# Altium PCB Brake Module B3 Sample.PcbDoc (continued)
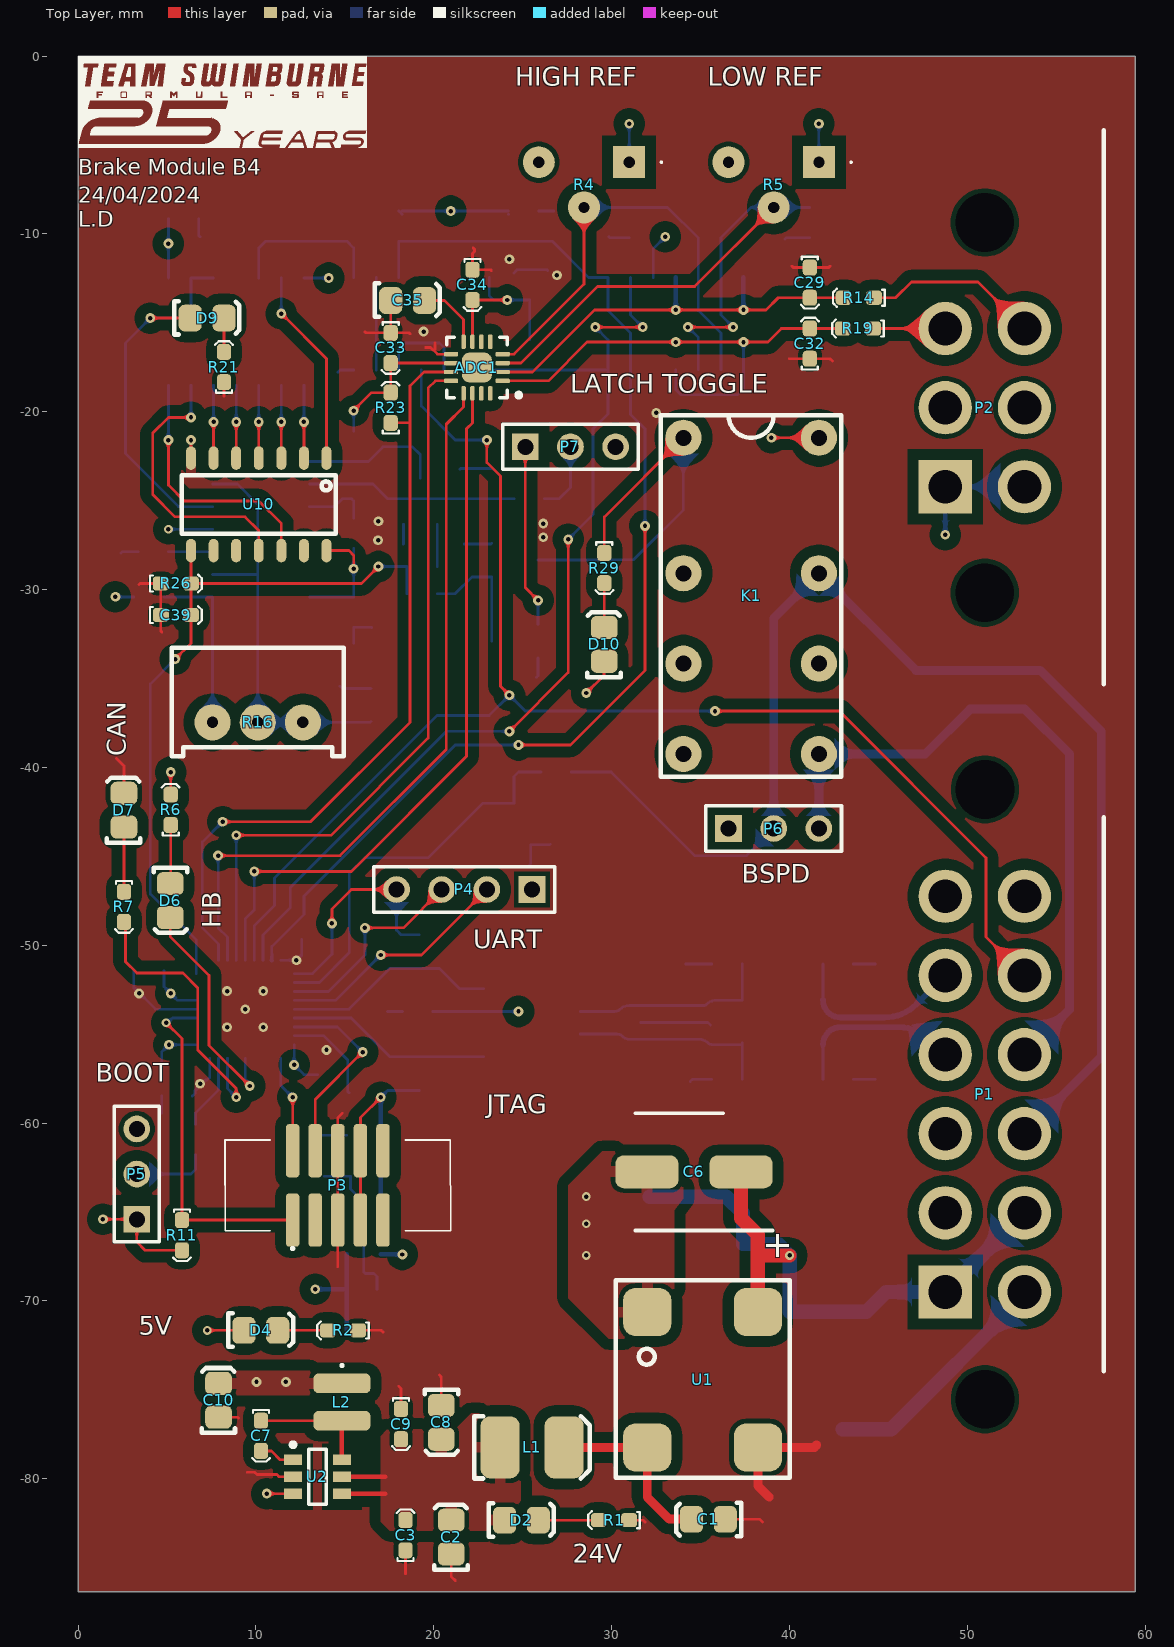
[diagram p0: Top Layer view]
## Footprints (in the part's own frame and the unit in brackets; to place one, negate y for a bottom-side part, rotate by r counter-clockwise, add the part's x,y. Pads: shape width x height; smd on the part's side, far side on the other; paste and mask are expansions set on the pad) (continued)
STM_QFN-36 [mm]
  rrect50% 1.1x0.25 smd: 1(-2.75,2) 2(-2.75,1.5) 3(-2.75,1) 4(-2.75,0.5) 5(-2.75,0) 6(-2.75,-0.5) 7(-2.75,-1) 8(-2.75,-1.5) 9(-2.75,-2) 19(2.75,-2) 20(2.75,-1.5) 21(2.75,-1) 22(2.75,-0.5) 23(2.75,0) 24(2.75,0.5) 25(2.75,1) 26(2.75,1.5) 27(2.75,2)
  rrect50% 0.25x1.1 smd: 10(-2,-2.75) 11(-1.5,-2.75) 12(-1,-2.75) 13(-0.5,-2.75) 14(0,-2.75) 15(0.5,-2.75) 16(1,-2.75) 17(1.5,-2.75) 18(2,-2.75) 28(2,2.75) 29(1.5,2.75) 30(1,2.75) 31(0.5,2.75) 32(0,2.75) 33(-0.5,2.75) 34(-1,2.75) 35(-1.5,2.75) 36(-2,2.75)
  rrect10% 3x3 smd: 37(0,0)
  silkscreen extent -3.98,-3.21 3.21,3.21, body extent -3.08,-3.08 3.08,3.08, height 1
"TDK 4-PC Pad" [mm]
  rrect50% 1.35x0.9 smd: 1(0,-2.5) 2(0,0) 3(4.55,0) 4(4.55,-2.5)
  silkscreen extent -1,-3.2 5.5,0.7, body extent -0.02,-2.82 4.48,0.38, height 2.8
"TH 2.54mm Header 1x3"#1 [mm]
  rect 1.5x1.5 / inner rect 1.5x1.5 / far side rect 2x2 hole 0.9: 1(0,0)
  round 1.5 / inner round 1.5 / far side round 2 hole 0.9: 2(2.54,0) 3(5.08,0)
  silkscreen extent -1.27,-1.27 6.35,1.27, body extent -1.27,-1.27 6.35,1.27, height 9.5
"TH 2.54mm Header 1x3"#2 [mm]
  rect 1.5x1.5 hole 0.9: 1(0,0)
  round 1.5 hole 0.9: 2(2.54,0) 3(5.08,0)
  silkscreen extent -1.27,-1.27 6.35,1.27, body extent -1.27,-1.27 6.35,1.27, height 9.5
"TH 2.54mm Header 1x4" [mm]
  rect 1.5x1.5 / inner rect 1.5x1.5 / far side rect 2x2 hole 0.9: 1(0,0)
  round 1.5 / inner round 1.5 / far side round 2 hole 0.9: 2(2.54,0) 3(5.08,0) 4(7.62,0)
  silkscreen extent -1.27,-1.27 8.89,1.27, body extent -1.27,-1.27 8.89,1.27, height 9.5
"TI 2-DIL" [mil]
  round 80 / inner round 80 / far side round 98.43 hole 35.43: 1(-350,-150) 4(-50,-150) 6(150,-150) 8(350,-150) 9(350,150) 11(150,150) 13(-50,150) 16(-350,150)
  silkscreen extent -400,-200 400,200, body extent -398,-197 398,197, height 450
"TI 14-SOIC" [mil]
  oval 22x52 smd: 1(-750,102.36) 2(-700,102.36) 3(-650,102.36) 4(-600,102.36) 5(-550,102.36) 6(-500,102.36) 7(-450,102.36) 8(-450,307.09) 9(-500,307.09) 10(-550,307.09) 11(-600,307.09) 12(-650,307.09) 13(-700,307.09) 14(-750,307.09)
  silkscreen extent -770,140 -430,270, body extent -770,86 -430,323, height 69
"TI SOT-23-5" [mil]
  rrect50% 19x58 smd: 1(0,0) 2(37.4,0) 3(74.8,0) 4(74.8,93) 5(0,93)
  silkscreen extent -30,8 103,86, body extent -23,-12 97,106, height 57
TI-SOIC14 [mm]
  rrect50% 1.45x0.6 smd: 1(-2.725,3.81) 2(-2.725,2.54) 3(-2.725,1.27) 4(-2.725,0) 5(-2.725,-1.27) 6(-2.725,-2.54) 7(-2.725,-3.81) 8(2.725,-3.81) 9(2.725,-2.54) 10(2.725,-1.27) 11(2.725,0) 12(2.725,1.27) 13(2.725,2.54) 14(2.725,3.81)
  silkscreen extent -2.85,-4.4 1.6,4.78, body extent -3,-4.4 3,4.4, height 1.75
TI-SOT23-6 [mm]
  rect 1x0.6 smd: 1(-1.375,0.95) 2(-1.375,0) 3(-1.375,-0.95) 4(1.375,-0.95) 5(1.375,0) 6(1.375,0.95)
  silkscreen extent -1.5,-1.55 0.5,1.92, body extent -1.5,-1.53 1.5,1.53, height 1.45
"VSHY SOT-23-3"#1 [mm] "SOT23, 3-Leads, Body 2.92x2.37mm, Pitch 0.95mm, IPC Low Density"
  rect 1.2x0.65 smd: D(1.3,0) G(-1.3,0.95) S(-1.3,-0.95)
  silkscreen extent -1.42,-1.5 0.7,1.95, body extent -1.32,-1.52 1.32,1.52, height 1.12
"VSHY SOT-23-3"#2 [mm] "SOT23, 3-Leads, Body 2.92x2.37mm, Pitch 0.95mm, IPC Low Density"
  rrect50% 1.2x0.65 smd: D(1.3,0) G(-1.3,0.95) S(-1.3,-0.95)
  silkscreen extent -1.42,-1.5 0.7,1.95, body extent -1.32,-1.52 1.32,1.52, height 1.12
WFQN-16 [mm]
  rrect50% 0.8x0.25 smd: 1(-1.45,0.75) 2(-1.45,0.25) 3(-1.45,-0.25) 4(-1.45,-0.75) 9(1.45,-0.75) 10(1.45,-0.25) 11(1.45,0.25) 12(1.45,0.75)
  rrect50% 0.25x0.8 smd: 5(-0.75,-1.45) 6(-0.25,-1.45) 7(0.25,-1.45) 8(0.75,-1.45) 13(0.75,1.45) 14(0.25,1.45) 15(-0.25,1.45) 16(-0.75,1.45)
  rrect50% 1.68x1.68 smd: 17(0,0)
  silkscreen extent -2.48,-1.7 1.7,1.7, body extent -1.6,-1.6 1.6,1.6, height 0.8
"Wurth 4-PC Pad" [mm]
  rrect50% 2.7x2.7 smd: 1(7.62,6.22) 2(0,6.22) 3(0,0) 4(7.62,0)
  silkscreen extent -1.7,-1.8 9.4,8, body extent -1.19,-1.24 8.81,7.46, height 6.2

## Part data
ADC1: "IC ADC 12BIT SAR 16WQFN", Manufacturer="Texas Instruments", Digikey Link=https://www.digikey.com.au/en/products/detail/texas-instruments/ADS7028IRTER/12696020?s=N4IgTCBcDaIIIBEDKB2ADGAHASQEoBUBRXEAXQF8g, Digikey Part Number=ADS7028IRTER, Part Number=ADS7028IRTER
C1 C2 C10 C30: library part GRM21BR6YA106KE43L, Digikey Part Number=490-10514-6-ND, Manufacturer=muRata, Rated Voltage=50V, Temperature Rating=X5R, Tolerance=10%, Material=MLCC, Part Number=GRM21BR6YA106KE43L
C3 C4 C5 C7 C9 C16 C21 C22 C23 C24 C25 C26 C28 C29 C32 C33 C34 C36 C37 C38 C39 C41 C42: library part GCM188L81H104KA57D, Digikey Part Number=490-6049-1-ND, Manufacturer=muRata, Rated Voltage=50V, Temperature Rating=X8L, Tolerance=±10%, Material=MLCC, Part Number=GCM188L81H104KA57D
C6: library part HHXA350ARA470MF61G, Part Number=HHXA350ARA470MF61G
C8: library part GRM21BR71E225KE11L, Digikey Part Number=490-14467-2-ND, Manufacturer="Murata Electronics", Rated Voltage=25V, Temperature Rating=X7R, Tolerance=±10%, Material=MLCC, Part Number=GRM21BR71E225KE11L
C15 C27 C35: library part GCM21BR71H105KA03L, Digikey Part Number=490-10675-1-ND, Manufacturer=muRata, Rated Voltage=50V, Temperature Rating=X7R, Tolerance=±10%, Material=MLCC, Part Number=GCM21BR71H105KA03L
C17 C18 C19 C20: library part GRM1885C1H101JA01D, Digikey Part Number=490-1427-1-ND, Manufacturer="Murata Electronics", Rated Voltage=50V, Temperature Rating="C0G, NP0", Tolerance=±5%, Material=MLCC, Part Number=GRM1885C1H101JA01D
C31: library part GRM1885C1H100JA01D, Digikey Part Number=490-1403-1-ND, Manufacturer="Murata Electronics", Rated Voltage=50V, Temperature Rating="C0G, NP0", Tolerance=±5%, Material=MLCC, Part Number=GRM1885C1H100JA01D
D1: library part CMP-004-00005-4, "Diode 100 V 1A Surface Mount SOD-123W"
D2 D4: library part SML-210LTT86, "Red LED Indication - Discrete 1.75V 0805 (2012 Metric)", Digikey Part Number=511-1286-1-ND, Manufacturer="ROHM Semiconductor", Colour=Red, Part Number=SML-210LTT86
D3: library part CMP-004-00003-4, "TVS Diode Single Bi-Dir 33.3V 600W Automotive 2-Pin SMB T/R / TVS DIODE 33.3VWM 69.7VC SMB", Breakdown Voltage=39V, Case/Package=DO-214AA, Clamping Voltage=53.9V, Leakage Current=200nA, Max Breakdown Voltage=41V, Max Operating Temperature=150°C, Max Power Dissipation=600W, Max Surge Current=11.1A, Min Breakdown Voltage=37.1V, Min Operating Temperature=-55°C, Operating Supply Voltage=30V, Package Quantity=1, Peak Pulse Current=57A, Power Line Protection=No, Resistor Type=Zener, Reverse Standoff Voltage=33.3V, Test Current=1mA, Diode Type=ZENER, Direction=Bidirectional, Element Configuration=Single, Height=2.45mm, Length=4.6mm, Max Reverse Leakage Current=200nA, Mount="Surface Mount", Number of Bidirectional Channels=1, Number of Channels=1, Number of Elements=1, Number of Pins=2, Packaging="Tape and Reel", Peak Pulse Power=600W, Polarity=Bidirectional, Radiation Hardening=No, REACH SVHC="No SVHC", Reverse Breakdown Voltage=37.1V, RoHS Compliant=Yes, Series="Automotive, AEC-Q101, SM6TY, TRANSIL™", Termination=SMD/SMT, Width=3.95mm
D6 D7: library part SML-211YTT86, "Yellow LED Indication - Discrete 1.75V 0805 (2012 Metric)", Digikey Part Number=511-1293-1-ND, Manufacturer="ROHM Semiconductor", Colour=Yellow, Part Number=SML-211YTT86
D9 D10: library part SML-210FTT86, "Green LED Indication - Discrete 1.75V 0805 (2012 Metric)", Digikey Part Number=511-1285-1-ND, Manufacturer="ROHM Semiconductor", Colour=Green, Part Number=SML-210FTT86
D11: Breakdown Voltage="100 V", Digikey Part Number=1727-PMEG100T10ELR-QXCT-ND, Forward Voltage="0.75 V @ 1A", Manufacturer="Nexperia USA Inc.", Rated Power="680 mW", Part Number=PMEG100T10ELR-QX
D12: Breakdown Voltage=4.7V, Digikey Part Number=MMBZ5230BLT1GOSTR-ND, Manufacturer=onsemi, Rated Power=225mW, Part Number=MMBZ5230BLT1G
F1: "PTC RESET FUSE 60V 1A 292", Digikey Part Number=507-2070-1-ND, Manufacturer="Littelfuse Inc.", Digikey Link=https://www.digikey.com/product-detail/en/bel-fuse-inc/0ZCF0100AF2A/507-2070-1-ND/6210547, Part Number=0ZCF0100AF2A
K1: "5V DPDT Relay 3A 220VDC", Digikey Part Number=PB383-ND, Manufacturer=Axicom, Digikey Link=https://www.digikey.com/products/en?mpart=V23105A5001A201&v=41, Part Number=V23105A5475A201
L1: library part RLS-126, Digikey Part Number=945-3429-ND, Manufacturer=Recom, Rated Current="0.8 A", Tolerance=0.2, Impedance=230mOhm, Material=Wirewound, Part Number=RLS-126
L2: library part SRN4018-4R7M, Digikey Part Number=SRN3015TA-4R7MCT-ND, Manufacturer=Bourns, Rated Current=1.9A, Tolerance=0.2, Impedance=84mOhms, Material=Wirewound, Part Number=SRN4018-4R7M
P1: Digikey Part Number=1734-1861-ND, Angle=90, Contact="Copper Alloy", Digikey Link=https://www.digikey.com/products/en?keywords=dtf13-12pa, Flange=No, Part Number=DTF13-12P, Pitch=4.45mm, Positions=12, Row Spacing=4.45mm
P2: library part DTF13-6P, Digikey Part Number=1734-1754-ND, Angle=90, Contact="Copper Alloy", Digikey Link=https://www.digikey.com/products/en?keywords=DTF13-6P, Flange=No, Part Number=DTF13-6P, Pitch=4.45mm, Positions=6, Row Spacing=4.45mm
P3: library part "SMD 1.27mm Header 2x5 (3221-10-0300-00)", Angle=0, Contact=NA, Flange=No, Part Number="SMD 1.27mm Header 2x5 (3221-10-0300-00)", Pitch=1.27mm, Positions=10, Row Spacing=1.27mm
P4: library part "TH 2.54mm Header 1x4", Angle=0, Contact=NA, Flange=No, Part Number="TH 2.54mm Header 1x4", Pitch=2.54mm, Positions=4, Row Spacing=2.54mm
P5 P6 P7: library part "TH 2.54mm Header 1x3", Angle=0, Contact=NA, Flange=No, Part Number="TH 2.54mm Header 1x3", Pitch=2.54mm, Positions=3, Row Spacing=2.54mm
Q1: "MOSFET P-CH 60V 2.8A SSOT23", Digikey Part Number=SQ2361ES-T1_GE3CT-ND, Manufacturer="Vishay Siliconix", Rated Power="2 W", LatestRevisionDate=29-May-2009, LatestRevisionNote="IPC-7351 Footprint Added.", PackageDescription="4-Pin SOT-343 Package 1.3 mm Pitch, 2.1 mm Lead Span", PackageReference=SOT-343, PackageVersion=Sep-2000, Part Number=SQ2361ES-T1_GE3, Published=24-Mar-1999, Publisher="Altium Limited", Type=P-channel
Q2 Q3: "MOSFET N-CH 60V 2.3A SOT23", Digikey Part Number=SQ2308CES-T1_GE3CT-ND, Manufacturer="Vishay Siliconix", Rated Power=2W, LatestRevisionDate=29-May-2009, LatestRevisionNote="IPC-7351 Footprint Added.", PackageDescription="4-Pin SOT-343 Package 1.3 mm Pitch, 2.1 mm Lead Span", PackageReference=SOT-343, PackageVersion=Sep-2000, Part Number=SQ2308CES-T1_GE3, Published=24-Mar-1999, Publisher="Altium Limited", Type=N-channel
R1: library part RC0603FR-0720KL, Digikey Part Number=311-20.0KHRCT-ND, Manufacturer=YAGEO, Rated Power=0.1W, Tolerance=0.01, Material=FR-07, Part Number=RC0603FR-0720KL
R2: library part RC0603FR-072KL, Digikey Part Number=311-2.00KHRCT-ND, Manufacturer=YAGEO, Rated Power=0.1W, Tolerance=0.01, Material=FR-07, Part Number=RC0603FR-072KL
R4 R5: library part 3339P-1-1103LF, Manufacturer="Bournes Inc", Rated Power=0.5W, Tolerance=0.1, Part Number=3339P-1-1103LF
R6 R7: library part RT0603BRD07500RL, Digikey Part Number=13-RT0603BRD07500RL-ND, Manufacturer=YAGEO, Rated Power=0.1W, Tolerance=0.01, Material=FR-07, Part Number=RT0603BRD07500RL
R9 R10: library part RC0805FR075K1L, Digikey Part Number=311-5.10KCRCT-ND, Manufacturer=YAGEO, Rated Power=0.125W, Tolerance=0.01, Material=FR-07, Part Number=RC0805FR075K1L
R11 R12 R15 R20 R26 R32: library part RC0603FR-0710KL, Digikey Part Number=311-10.0KHRCT-ND, Manufacturer=YAGEO, Rated Power=0.1W, Tolerance=0.01, Material=FR-07, Part Number=RC0603FR-0710KL
R14 R19: library part RC0603FR-071KL, Digikey Part Number=311-1.00KHRCT-ND, Manufacturer=YAGEO, Rated Power=0.1W, Tolerance=0.01, Material=FR-07, Part Number=RC0603FR-071KL
R16: library part 3296W-1-103LF, Digikey Part Number=3296W-103LF-ND, Manufacturer="Bournes Inc", Rated Power=0.5W, Tolerance=0.1, Part Number=3296W-1-103LF
R17 R18 R21 R23 R24 R25: library part RC0603JR-071K2L, Digikey Part Number=311-1.2KGRCT-ND, Manufacturer=YAGEO, Rated Power=0.1W, Tolerance=0.01, Material=FR-07, Part Number=RC0603JR-071K2L
R22 R29 R30 R31: library part RC0603JR-13680RL, Digikey Part Number=13-RC0603JR-13680RLCT-ND, Manufacturer=YAGEO, Rated Power=0.1W, Tolerance=0.01, Material=FR-07, Part Number=RC0603JR-13680RL
U1: Digikey Part Number=732-1489-1-ND, Manufacturer="Wurth Electronics Inc", Rated Current="2.5 A", Impedance="460 Ohms @ 30MHz", Material=Wirewound, Part Number=744272121
U2: library part LMR50410-Q1, "IC REG BUCK 5V 1A SOT23-6", Digikey Part Number=296-LMR50410Y5FQDBVRQ1CT-ND, Input Voltage=4-36V, Manufacturer="Texas Instruments", Output Current=1A, Output Voltage=5V, Part Number=LMR50410-Q1
U3: "IC REG LINEAR 3.3V 200MA SOT23-5", Digikey Part Number=296-27780-1-ND, Input Voltage="2 to 5.5 V", Manufacturer="Texas Instruments", Output Current="0.2 A", Output Voltage="3.3 V", Part Number=TLV70033-Q1
U4: "Integrated Circuit", Arrow Part Number=TJA1042T/1J, Manufacturer_Name=NXP, Mouser Part Number=771-TJA1042T/1J, Arrow Price/Stock=https://www.arrow.com/en/products/tja1042t1j/nxp-semiconductors?region=nac, Datasheet Link=http://www.nxp.com/docs/en/data-sheet/TJA1042.pdf, Height=1.75mm, Manufacturer_Part_Number=TJA1042T/1J, Mouser Price/Stock=https://www.mouser.co.uk/ProductDetail/NXP-Semiconductors/TJA1042T-1J?qs=gNSudQoqUYB5nZpx0evBtw%3D%3D
U5: Digikey Part Number=495-4598-1-ND, Manufacturer="EPCOS (TDK)", Rated Current=150mA, Impedance="5.8 kOhms @ 10MHz", Material=Wirewound, Part Number=B82787C0104H002
U6: "Dual Line CAN Bus Protector", Digikey Part Number=NUP2105LT1GOSCT-ND, Manufacturer="ON Semiconductor", Digikey Link=https://www.digikey.com/product-detail/en/on-semiconductor/NUP2105LT1G/NUP2105LT1GOSCT-ND/1485001, Part Number=NUP2105L
U7: "ARM® Cortex®-M3 STM32F1 Microcontroller IC 32-Bit 72MHz 64KB (64K x 8) FLASH QFN", Manufacturer="ST Microelectronics", Complex IC=1, Digikey Link=https://www.digikey.com/en/products/detail/stmicroelectronics/stm32f103t8u6/1852493, Digikey Part Number=STM32F103T8U6, Part Number=STM32F103T8U6
U8: "IC OSC TIMER DUAL 100KHZ 14SOIC", Digikey Part Number=296-26240-1-ND, Manufacturer="Texas Instruments", Digikey Link=https://www.digikey.com.au/en/products/detail/texas-instruments/ne556dr/1571975, Part Number=NE556DR
U9: library part CMP-022-000000-1, "IC SHIFT REGISTR 8BIT 3ST 16SOIC", Part Number=MC74HC595ADR2G
U10: library part CMP-022-000012-1, "IC GATE NAND 1CH 8-INP 14SOIC", Part Number=CD74HC30M96
U11: library part CMP-022-000002-1, "NAND Gate IC 4 Channel 14-SOIC", Part Number=SN74HC00DR
U12: library part CMP-022-000001-1, "Comparator General Purpose Open Collector 14-SOIC", Part Number=LMV339IDR

## Via types
v1: diameter 0.55, hole 0.25, Top Layer to Bottom Layer, 81 vias
v2: diameter 0.5, hole 0.25, Top Layer to Bottom Layer, 7 vias

## Nets (pads, with @x,y where several pads share a name; then routed paths per layer and width w, separated by ;. In a path a pad name is that pad's centre, name@x,y a point inside that pad or via, vN(x,y) a via of type N, cw(c..) or ccw(c..) an arc to the next point about the centre after c; other vN are vias at no path point)
0V: ADC1.9 C1.1 C2.1 C3.1 C8.1 C9.1 C10.1 C15.1 C16.1 C17.1 C18.1 C19.1 C20.1 C21.1 C22.1 C23.1 C24.1 C25.1 C26.1 C27.1 C28.1 C29.1 C30.1 C31.1 C32.1 C33.1 C34.1 C35.1 C36.1 C37.1 C38.1 C39.1 C41.1 C42.1 D7.K D12.A P2.2 P2.5 P3.5 P3.6 P4.1 P5.3 Q1.S Q2.S Q3.S R1.1 R2.1 R4.3 R5.3 R20.1 R21.1 R26.1 U1.3 U2.2 U3.2 U4.2 U4.8 U6.3 U7.5 U7.18 U7.26 U7.36 U7.37 U8.7 U8.12 U9.8 U9.13 U10.7 U11.7 U12.12 | length 107.7
  Top Layer w0.152: 2.159,-39.497 2.579,-39.917 D7.K ; 3.429,-29.718 3.492,-29.654 R26.1 C39.1 4.65,-32.336 4.699,-32.385 ; U10.7 v1(6.35,-21.59) ; C10.1 8.968,-76.532 9.017,-76.581 ; 8.203,-19.134 R21.1 ; 9.525,-79.629 9.932,-79.629 10.059,-79.756 11.176,-79.756 11.303,-79.883 U2.2 ; 14.605,-68.072 P3.5 P3.6 14.605,-59.69 14.859,-59.436 ; R2.1 17.044,-71.654 17.145,-71.755 ; 16.129,-15.494 16.199,-15.564 C33.1 ; C35.1 C33.1 ; 18.034,-74.803 18.161,-74.93 C9.1 ; 18.415,-85.344 C3.1 ; 18.669,-15.621 18.612,-15.564 C33.1 ; 19.558,-16.383 19.82,-16.383 20.201,-16.764 ADC1.9 ; 20.039,-16.476 20.066,-16.449 20.066,-16.129 ; 20.32,-74.168 20.421,-74.269 C8.1 ; C2.1 20.981,-85.497 21.209,-85.725 ; 22.225,-10.795 22.289,-10.859 22.289,-10.985 22.176,-11.098 C34.1 23.192,-12.016 23.241,-12.065 ; R1.1 31.776,-82.322 31.877,-82.423 ; C1.1 38.328,-82.27 38.481,-82.423 ; 40.005,-17.018 C32.1 42.291,-17.018 42.418,-17.145 ; 40.132,-11.811 40.21,-11.889 C29.1 42.213,-11.889 42.291,-11.811
  Top Layer w0.5: 38.862,-81.026 38.224,-80.388 U1.3 41.402,-78.232 41.529,-78.105
  Bottom Layer w0.152: 2.413,-27.94 2.476,-27.877 C31.1 ; C24.1 3.126,-52.362 4.358,-53.594 U7.5 ; 4.699,-59.436 C23.1 ; 6.428,-58.469 6.576,-58.321 6.576,-58.175 6.858,-57.893 v1(6.858,-57.785) 6.966,-57.785 7.176,-57.575 7.252,-57.575 7.398,-57.429 U7.36 ; C36.1 6.78,-10.082 6.858,-10.16 ; U7.18 v1(12.275,-50.844) 12.573,-50.546 C22.1 ; U7.26 13.819,-55.094 15.162,-56.437 C25.1 15.162,-58.215 15.24,-58.293 ; 13.335,-60.579 13.436,-60.68 C27.1 ; 13.843,-62.992 C26.1 15.313,-63.7 16.063,-64.45 U3.2 16.063,-68.364 16.152,-68.453 16.637,-68.453 16.813,-68.629 C16.1 ; 14.605,-17.78 14.732,-17.653 U11.7 ; 14.732,-35.433 14.864,-35.565 C30.1 ; 15.494,-33.02 C28.1 16.495,-32.116 16.51,-32.131 ; 17.399,-53.721 C42.1 ; 18.288,-27.432 18.293,-27.427 Q1.S ; 21.463,-23.241 21.512,-23.192 R20.1 23.319,-23.192 23.368,-23.241 ; 21.717,-27.432 23.223,-27.432 Q2.S ; 24.511,-12.192 24.687,-12.016 C38.1 26.367,-12.016 26.416,-12.065 ; 25.4,-45.466 25.461,-45.405 D12.A 26.511,-44.355 26.543,-44.323 ; 25.781,-34.925 25.865,-34.841 Q3.S ; C37.1 25.911,-8.717 26.751,-8.717 ; 29.845,-10.16 29.894,-10.209 C21.1 ; U6.3 35.413,-54.336 35.56,-54.483 ; 34.163,-51.054 C19.1 ; 34.417,-57.658 34.544,-57.531 C20.1 ; 39.751,-10.287 39.829,-10.209 C41.1 ; C18.1 44.831,-57.531 ; C17.1 44.831,-51.054
  other v1: 13.97,-55.88 8.382,-54.61 10.414,-54.61 9.398,-53.594 3.429,-52.705 8.382,-52.578 10.414,-52.578 16.87,-27.222 26.162,-27.051 26.162,-26.289 16.891,-26.162 32.512,-20.066 19.431,-15.494 26.924,-12.319 24.257,-11.43
3V3: C22.2 C23.2 C24.2 C25.2 C26.2 C27.2 P3.7 P3.8 P4.4 P5.1 R6.2 R9.2 R10.2 R11.2 U3.5 U7.1 U7.6 U7.19 U7.27 | length 44.8
  Top Layer w0.152: v1(1.397,-65.405) P5.1 3.302,-66.675 3.777,-67.15 R11.2 ; R6.2 v1(5.207,-40.259) ; v1(14.273,-48.768) 14.273,-47.957 15.367,-46.863 P4.4 ; P3.7 P3.8 15.875,-59.69 v1(17.018,-58.547)
  Bottom Layer w0.152: C23.2 4.699,-56.007 v1(5.112,-55.594) U7.1 ; C24.2 4.826,-52.324 5.596,-53.094 U7.6 ; U7.27 v1(12.148,-56.725) 12.7,-57.277 C25.2 ; U7.19 13.176,-51.594 14.273,-50.497 C22.2 v1(14.273,-48.768) ; U3.5 U3.5@17.015,-65.021 ; v1@17.015,-58.55 v1(17.018,-58.547) 17.404,-58.161 R10.2 ; P4.4 17.907,-49.149 18.166,-49.408 R9.2
  Bottom Layer w0.254: U3.5@17.015,-65.021 v1@17.015,-58.55
  other v1: 5.211,-52.709
5kW: P1.8 U7.15 U11.4 | length 82.5
  Top Layer w0.152: v1(22.987,-21.59) 22.987,-22.86 23.749,-23.622 23.749,-35.433 v1(24.257,-35.941) ; v1(35.814,-36.83) 42.799,-36.83 51.054,-45.085 51.054,-49.535 P1.8
  Bottom Layer w0.152: U7.15 9.898,-48.903 11.049,-47.752 11.049,-46.228 20.193,-37.084 23.114,-37.084 v1(24.257,-35.941) 25.146,-36.83 v1(35.814,-36.83) ; U11.4 19.304,-19.685 21.209,-21.59 v1(22.987,-21.59)
  Bottom Layer w0.254: P1.8 P1.8@53.213,-51.181
5V: ADC1.7 ADC1.10 C10.2 C15.2 C16.2 C28.2 C33.2 C34.2 C36.2 C37.2 C38.2 C42.2 D4.A D10.A D11.K K1.16 L2.1 P2.1 P2.6 R4.1 R5.1 R15.2 R17.2 R18.2 R23.2 R24.2 R25.2 U2.3 U3.1 U3.3 U4.3 U8.4 U8.14 U9.10 U9.16 U10.14 U11.14 U12.3 | length 80
  Top Layer w0.152: v2(7.265,-71.654) D4.A ; v1(10.607,-80.833) U2.3 ; U10.14 15.231,-27.806 15.494,-28.069 v1(15.494,-28.829) ; v1(15.494,-19.939) 16.51,-18.923 R23.2 C33.2 ADC1.10 ; ADC1.7 C34.2 v1(24.13,-13.716) ; v1(28.575,-35.814) 29.569,-34.82 29.569,-34.053 D10.A ; v1(38.989,-21.463) K1.16
  Bottom Layer w0.152: v1@2.095,-30.416 R15.2@3.126,-30.416 ; v2(5.08,-26.607) U8.4 ; U9.10 v1(5.08,-10.541) C36.2 ; U9.16 v1(14.097,-12.481) ; U8.14 C28.2 v1(15.494,-28.829) R17.2 ; R18.2 v1(15.494,-19.939) ; R25.2 R25.2@18.209,-8.889 ; R25.2@18.209,-8.714 v1(20.955,-8.714) C37.2@24.207,-8.714 ; C42.2 U4.3 v1(24.765,-53.721) ; U11.14 23.114,-13.462 23.368,-13.716 v1(24.13,-13.716) C38.2 R24.2 ; C37.2@24.208,-8.89 C37.2@24.207,-8.889 ; v1(28.575,-35.814) 29.591,-34.798 D11.K ; R4.1 v1(30.988,-3.81) ; U12.3 32.336,-10.844 v1(33.02,-10.16) ; R5.1 v1(41.656,-3.81)
  Bottom Layer w0.254: v1(13.335,-69.342) C16.2 ; C15.2 C16.2 ; U3.3 C16.2 ; U3.1 v1(18.237,-67.386) ; v1(48.763,-26.919) P2.1 P2.6
  other v1: 10.033,-74.549 11.684,-74.549 2.098,-30.398
BOOT0: P5.2 R12.1 | length 4.2
  Bottom Layer w0.152: P5.2 6.35,-62.865 6.604,-62.611 R12.1
"BPSD LATCH": R20.2 R31.1 U8.9 | length 11.8
  Bottom Layer w0.152: U8.9 16.573,-24.066 17.399,-24.892 R20.2 R31.1
"BRAKE SIG 1": P2.4 R14.1 | length 9.9
  Top Layer w0.152: R14.1 45.974,-13.589 46.863,-12.7 50.595,-12.7 P2.4
"BRAKE SIG 2": P2.3 R19.1 | length 4.1
  Top Layer w0.152: R19.1 P2.3
"Brake Signal 1": ADC1.2 C29.2 R14.2 U12.4 U12.7 | length 24.5
  Top Layer w0.152: ADC1.2 25.543,-17.764 29.034,-14.273 v1(33.606,-14.273) v1(37.416,-14.273) 38.686,-14.273 39.37,-13.589 C29.2 ; C29.2@41.197,-13.589 R14.2
  Bottom Layer w0.254: v1(33.606,-14.273) U12.4 ; v1(37.416,-14.273) U12.7
"Brake Signal 2": ADC1.1 C32.2 R19.2 U12.8 U12.11 | length 28.2
  Top Layer w0.152: ADC1.1 26.44,-18.264 28.624,-16.08 v1(33.606,-16.08) v1(37.416,-16.08) 38.784,-16.08 39.546,-15.318 C32.2 R19.2
  Bottom Layer w0.152: U12.11 33.606,-18.747 33.909,-19.05 37.084,-19.05 37.416,-18.718 U12.8 v1(37.416,-16.08)
"BSPD OK": C39.2 R22.1 R26.2 R30.1 U7.9 U10.8 | length 39.9
  Top Layer w0.152: v1(5.461,-33.909) 6.35,-33.02 C39.2 R26.2 ; U10.8 R26.2 ; v1(16.891,-28.702) 15.938,-29.654 R26.2
  Bottom Layer w0.152: v1(5.461,-33.909) 4.064,-35.306 4.064,-47.117 6.648,-49.701 U7.9 ; v1(16.891,-28.702) R22.1 R30.1
CAN1_N: C17.2 P1.5 U5.2 | length 10.3
  Bottom Layer w0.152: U5.2 C17.2
  Bottom Layer w0.33: U5.2 ccw(c42.863,-53.086) 42.863,-54.061 45.344,-54.061 ccw(c45.344,-51.521) 47.14,-53.317 P1.5
CAN1_P: C18.2 P1.4 U5.1 | length 10
  Bottom Layer w0.152: C18.2 U5.1 U5.1@41.888,-55.499
  Bottom Layer w0.254: U5.1 U5.1@41.908,-55.606
  Bottom Layer w0.33: U5.1 cw(c42.863,-55.586) 42.863,-54.611 46.178,-54.611 cw(c46.178,-57.151) 47.974,-55.355 P1.4
CAN_TX_INDC: R7.2 U7.34 | length 16.4
  Top Layer w0.152: R7.2 2.667,-48.778 2.667,-50.927 3.302,-51.562 5.904,-51.562 6.731,-52.389 6.731,-55.88 8.89,-58.039 v1(8.89,-58.547)
  Bottom Layer w0.152: U7.34 8.398,-58.055 v1(8.89,-58.547)
CLOCK: D9.A U8.5 U9.11 U9.12 | length 22.1
  Top Layer w0.152: v1(4.064,-14.732) D9.A D9.A@6.404,-14.631
  Bottom Layer w0.152: U8.5 5.651,-25.336 2.667,-22.352 2.667,-16.129 v1(4.064,-14.732) 5.715,-14.732 6.35,-14.097 U9.11 U9.12
"CS (ADC)": ADC1.11 R23.1 U7.11 | length 44.3
  Top Layer w0.152: v1(8.128,-43.053) 13.081,-43.053 18.669,-37.465 18.669,-20.574 ; R23.1@17.658,-20.701 R23.1 18.62,-20.623 18.669,-20.574 ; ADC1.11 19.447,-17.764 18.669,-18.542 18.669,-20.574
  Bottom Layer w0.152: U7.11 7.898,-49.935 6.985,-49.022 6.985,-44.196 v1(8.128,-43.053)
GL_IN: K1.13 P1.10 P6.2 R32.2 | length 73.3
  Bottom Layer w0.152: R32.2 29.972,-40.259 34.671,-44.958 37.592,-44.958 P6.2
  Bottom Layer w0.5: P6.2 39.116,-31.623 K1.13 47.117,-34.544 54.102,-34.544 57.531,-37.973 57.531,-56.276 P1.10
GL_IN_OK: D12.K R32.1 U7.20 | length 22.3
  Bottom Layer w0.152: U7.20 13.565,-52.094 15.24,-50.419 15.24,-45.974 16.129,-45.085 19.685,-45.085 22.765,-42.005 D12.K 24.511,-40.513 24.765,-40.259 R32.1
GL_OUT: K1.9 P1.9 P6.3 | length 38.3
  Bottom Layer w0.5: P6.3 K1.9 47.635,-39.243 50.16,-36.718 53.228,-36.718 55.753,-39.243 55.753,-53.604 P1.9
GLV+: F1.1 P1.12 | length 13.6
  Bottom Layer w0.8: F1.1 45.72,-77.216 53.213,-69.723 P1.12 P1.12@53.188,-69.494
GLV-: C4.1 C5.1 C6.1 D3.K P1.1 P1.11 U1.4 | length 38.9
  Top Layer w0.8: C6.1 37.281,-65.348 38.224,-66.291 U1.4 ; 38.326,-67.437 v2(40.005,-67.437)
  Bottom Layer w0.8: C5.1 36.449,-64.135 37.387,-65.073 C4.1 39.37,-66.802 v2(40.005,-67.437) 40.011,-67.443 D3.K 44.323,-70.612 45.441,-69.494 P1.1 P1.11
"H REF 1": ADC1.4 C21.2 R4.2 U12.5 U12.9 | length 25.6
  Top Layer w0.152: ADC1.4 24.511,-16.764 28.448,-12.827 R4.2
  Bottom Layer w0.152: R4.2 C21.2 33.147,-8.509 34.876,-10.238 U12.5 34.876,-14.302 36.146,-15.572 U12.9
HB: D6.K U7.32 | length 13
  Top Layer w0.152: D6.K 5.181,-49.504 7.366,-51.689 7.366,-55.626 v1(9.652,-57.912)
  Bottom Layer w0.152: U7.32 9.398,-57.55 9.652,-57.804 v1(9.652,-57.912)
"L REF": ADC1.3 C41.2 R5.2 U12.6 U12.10 | length 35.1
  Top Layer w0.152: ADC1.3 24.9,-17.264 29.21,-12.954 34.671,-12.954 R5.2 ; v1(34.29,-15.24) v1(36.83,-15.24)
  Bottom Layer w0.152: v1(34.29,-15.24) 34.876,-15.826 U12.10 ; v1(36.83,-15.24) 36.146,-14.556 U12.6 36.146,-10.209 37.846,-8.509 R5.2 C41.2
NetADC1_8: ADC1.8 C35.2 | length 3.9
  Top Layer w0.152: C35.2 20.6,-13.742 21.676,-14.818 ADC1.8
NetADC1_12: ADC1.12 U7.13 | length 41.2
  Top Layer w0.152: v1(8.89,-43.815) 14.224,-43.815 19.685,-38.354 19.685,-18.669 20.09,-18.264 ADC1.12
  Bottom Layer w0.152: v1(8.89,-43.815) 8.894,-43.819 8.894,-50.84 U7.13
NetADC1_13: ADC1.13 U7.12 | length 41.8
  Top Layer w0.152: v1(7.874,-44.958) 14.732,-44.958 20.701,-38.989 20.701,-20.701 21.676,-19.726 ADC1.13
  Bottom Layer w0.152: v1(7.874,-44.958) 7.874,-49.022 8.398,-49.546 U7.12
NetADC1_14: ADC1.14 U7.14 | length 40.4
  Top Layer w0.152: v1(9.906,-45.847) 15.367,-45.847 21.844,-39.37 21.844,-20.955 22.176,-20.623 ADC1.14
  Bottom Layer w0.152: U7.14 9.398,-48.514 9.906,-48.006 v1(9.906,-45.847)
NetC1_2: C1.2 L1.2 U1.2 | length 10.5
  Top Layer w0.5: L1.2 U1.2 32.004,-81.026 33.248,-82.27 C1.2
NetC4_2: C4.2 D1.A D3.A F1.2
NetC7_1: C7.1 L2.2 U2.6 | length 6.8
  Top Layer w0.152: C7.1 L2.2
  Top Layer w0.254: U2.6 L2.2
NetC7_2: C7.2 U2.1 | length 2
  Top Layer w0.152: C7.2 10.868,-78.432 11.369,-78.933 U2.1
NetC19_2: C19.2 U4.6 U5.3 U6.1 | length 11.3
  Bottom Layer w0.152: U4.6 30.173,-53.721 ccw(c30.173,-53.287) 30.48,-53.594 cw(c30.982,-54.096) 30.982,-53.386 U6.1 35.195,-53.386 ccw(c35.195,-53.229) 35.306,-53.34 cw(c35.919,-53.953) 35.919,-53.086 U5.3 C19.2
NetC20_2: C20.2 U4.7 U5.4 U6.2 | length 11.3
  Bottom Layer w0.152: U4.7 30.3,-54.991 cw(c30.3,-55.425) 30.607,-55.118 ccw(c31.013,-54.712) 31.013,-55.286 U6.2 34.919,-55.286 cw(c34.919,-56.013) 35.433,-55.499 ccw(c35.643,-55.289) 35.643,-55.586 U5.4 ; C20.2 U5.4@37.338,-55.499
NetC31_2: C31.2 U8.3 | length 2.5
  Bottom Layer w0.152: C31.2 U8.3
NetD2_K: D2.K R1.2 | length 3.4
  Top Layer w0.152: D2.K R1.2
NetD4_K: D4.K R2.2 | length 2.8
  Top Layer w0.152: D4.K R2.2
NetD6_A: D6.A R6.1 | length 3.3
  Top Layer w0.152: D6.A 5.207,-46.51 R6.1
NetD7_A: D7.A R7.1 | length 3.6
  Top Layer w0.152: R7.1 D7.A
NetD9_K: D9.K R21.2 | length 1.5
  Top Layer w0.152: R21.2 D9.K@8.203,-15.139
NetD10_K: D10.K R29.2 | length 2.5
  Top Layer w0.152: D10.K R29.2
NetD11_A: D11.A K1.1 Q2.D R29.1 | length 21.7
  Top Layer w0.152: R29.1 29.591,-25.908 K1.1
  Bottom Layer w0.152: Q2.D 29.572,-28.34 D11.A 31.242,-28.321 34.036,-25.527 K1.1
NetP7_1: P7.1 Q3.G | length 10.3
  Top Layer w0.152: P7.1 25.146,-29.888 v1(25.865,-30.607)
  Bottom Layer w0.152: Q3.G v1(25.865,-30.607)
NetP7_2: P7.2 R31.2 | length 4.2
  Bottom Layer w0.152: R31.2 27.051,-24.892 27.686,-24.257 P7.2 P7.2@27.813,-21.844
NetQ1_D: Q1.D R18.1 U8.8 | length 8.1
  Bottom Layer w0.152: U8.8 R18.1 16.319,-22.796 17.145,-21.971 18.796,-21.971 19.243,-22.418 Q1.D
NetQ1_G: Q1.G R22.2 | length 2.4
  Bottom Layer w0.152: R22.2 Q1.G
NetQ2_G: Q2.G Q3.D R30.2 | length 7.1
  Bottom Layer w0.152: R30.2 21.209,-30.226 22.145,-29.29 Q2.G Q3.D
NetR9_1: R9.1 U4.4 U7.23 | length 12.1
  Bottom Layer w0.152: U7.23 15.24,-53.594 17.526,-51.308 R9.1 20.32,-51.308 21.463,-52.451 U4.4
NetR10_1: R10.1 U4.1 U7.24 | length 11.6
  Bottom Layer w0.152: U7.24 15.359,-54.094 17.526,-56.261 R10.1 U4.1
NetR12_2: R12.2 U7.35 | length 4.3
  Bottom Layer w0.152: R12.2 6.604,-59.436 7.898,-58.142 U7.35
NetR15_1: R15.1 R16.1 U8.1 | length 9.8
  Bottom Layer w0.152: R15.1@4.826,-30.416 U8.1 R16.1
NetR17_1: R17.1 U8.10 | length 3.7
  Bottom Layer w0.152: U8.10 14.414,-25.336 14.859,-24.892 15.367,-24.892 15.494,-25.019 R17.1
NetR24_1: R24.1 U7.16 U11.1 U11.2 U12.2 U12.14 | length 59.7
  Top Layer w0.152: v1(24.257,-37.973) 27.559,-34.671 v1(27.559,-27.178) ; v1(29.083,-15.24) v1(31.75,-15.24)
  Bottom Layer w0.152: U7.16 10.398,-49.419 11.938,-47.879 11.938,-46.736 20.701,-37.973 v1(24.257,-37.973) ; U11.2 21.848,-17.649 29.793,-17.649 U12.14 ; v1(27.559,-27.178) 28.956,-25.781 28.956,-20.955 29.796,-20.115 U12.14 ; v1(29.083,-15.24) 29.796,-15.953 U12.14 ; U12.2 31.066,-14.556 v1(31.75,-15.24)
NetR25_1: R25.1 U7.17 U11.10 U12.1 U12.13 | length 66.4
  Top Layer w0.152: v1(24.765,-38.735) 27.686,-38.735 31.877,-34.544 v1(31.877,-26.416)
  Bottom Layer w0.152: U7.17 10.898,-50.062 12.7,-48.26 12.7,-47.244 21.209,-38.735 v1(24.765,-38.735) ; U11.10 R25.1 26.67,-10.414 28.702,-12.446 U12.1 29.796,-14.302 31.066,-15.572 U12.13 31.066,-20.144 31.877,-20.955 v1(31.877,-26.416)
  Bottom Layer w0.254: U7.17 U7.17
NetU9_1: U9.1 U10.2 | length 4.1
  Top Layer w0.152: U10.2 v1(12.7,-20.574)
  Bottom Layer w0.152: v1(12.7,-20.574) U9.1
NetU9_2: U9.2 U10.3 | length 4.1
  Top Layer w0.152: U10.3 v1(11.43,-20.574)
  Bottom Layer w0.152: v1(11.43,-20.574) U9.2
NetU9_3: U9.3 U10.4 | length 4.1
  Top Layer w0.152: U10.4 v1(10.16,-20.574)
  Bottom Layer w0.152: v1(10.16,-20.574) U9.3
NetU9_4: U9.4 U10.5 | length 4.2
  Top Layer w0.152: U10.5 v1(8.89,-20.574)
  Bottom Layer w0.152: v1@8.89,-20.701 v1(8.89,-20.574) U9.4
NetU9_5: U9.5 U10.6 | length 4
  Top Layer w0.152: U10.6 v1(7.62,-20.574)
  Bottom Layer w0.152: v1@7.62,-20.447 U9.5
NetU9_6: U9.6 U10.11 | length 15.7
  Top Layer w0.152: v1(6.35,-20.32) 5.08,-20.32 4.191,-21.209 4.191,-24.638 5.461,-25.908 9.398,-25.908 10.16,-26.67 U10.11
  Bottom Layer w0.152: v1(6.35,-20.32) U9.6
NetU9_7: U9.7 U10.12 | length 14.4
  Top Layer w0.152: v1(5.08,-21.59) 5.08,-24.13 5.969,-25.019 10.16,-25.019 11.43,-26.289 U10.12
  Bottom Layer w0.152: v1(5.08,-21.59) U9.7
NetU9_14: U9.14 U11.8 | length 9
  Bottom Layer w0.152: U9.14 10.16,-10.795 10.541,-10.414 15.113,-10.414 15.494,-10.795 U11.8
NetU9_15: U9.15 U10.1 | length 11.2
  Top Layer w0.152: v1(11.43,-14.478) 13.97,-17.018 U10.1
  Bottom Layer w0.152: v1(11.43,-14.478) U9.15
NetU11_3: U11.3 U11.5 | length 5.3
  Bottom Layer w0.152: U11.5 18.034,-16.383 18.288,-16.129 20.32,-16.129 20.574,-16.383 U11.3
NetU11_6: U11.6 U11.9 | length 5.2
  Bottom Layer w0.152: U11.6 U11.9
NRST: P3.1 R11.1 U7.4 | length 19.5
  Top Layer w0.152: v2(4.953,-54.356) 5.842,-55.245 R11.1 P3.1
  Bottom Layer w0.152: v2(4.953,-54.356) 5.047,-54.356 5.309,-54.094 U7.4
SWCLK: P3.2 U7.28 | length 5.5
  Top Layer w0.152: P3.2 v1(12.065,-58.547)
  Bottom Layer w0.152: U7.28 11.398,-57.88 v1(12.065,-58.547)
SWDIO: P3.4 U7.25 | length 11.1
  Top Layer w0.152: P3.4 13.335,-58.674 v1(16.002,-56.007)
  Bottom Layer w0.152: U7.25 14.589,-54.594 v1(16.002,-56.007)
Trig/Thres: C30.2 R16.2 R16.3 U8.2 U8.6 | length 24.1
  Bottom Layer w0.152: U8.2 10.038,-29.146 ; U8.6 8.954,-24.066 10.102,-25.215 10.102,-29.21 R16.2 ; R16.2@10.16,-37.465 R16.3 16.418,-37.465 C30.2@16.469,-37.414
UART_RX: P4.2 U7.22 | length 13.4
  Top Layer w0.152: v1(17.018,-50.546) 19.304,-50.546 P4.2
  Bottom Layer w0.152: U7.22 14.47,-53.094 v1(17.018,-50.546)
UART_TX: P4.3 U7.21 | length 11.6
  Top Layer w0.152: v1(16.129,-49.022) 18.288,-49.022 P4.3
  Bottom Layer w0.152: U7.21 14.081,-52.594 16.129,-50.546 v1(16.129,-49.022)
VBAT_D: C5.2 C6.2 D1.K U1.1
  other v2: 28.575,-67.437 28.575,-65.659 28.575,-64.135
VBAT_F: C2.2 C3.2 C8.2 C9.2 D2.A L1.1 U2.4 U2.5 | length 4.9
  Top Layer w0.254: U2.4 17.272,-80.833 ; U2.5 17.272,-79.883
pads on no net: ADC1.5 ADC1.6 ADC1.15 ADC1.16 ADC1.17 D12.2 K1.4 K1.6 K1.8 K1.11 P1.0 P1.2 P1.3 P1.6 P1.7 P2.0 P3.3 P3.9 P3.10 P6.1 P7.3 U3.4 U4.5 U7.2 U7.3 U7.7 U7.8 U7.10 U7.29 U7.30 U7.31 U7.33 U8.11 U8.13 U9.9 U10.9 U10.10 U10.13 U11.11 U11.12 U11.13

## Polygon pours and split planes (outlines as drawn)
0V on Top Layer "0V_TOP" (solid, pour order 27): 0,0 0,-86.36 59.436,-86.36 59.436,0
5V on Top Layer "5V_TOP_1" (solid, pour order 15): 16.383,-75.311 16.637,-75.057 16.637,-74.168 16.383,-73.914 7.239,-73.914 7.112,-74.041 7.112,-75.184 7.239,-75.311
VBAT_F on Top Layer "5V_TOP_1" (solid, pour order 25): 17.018,-77.597 17.018,-82.423 17.526,-82.931 24.638,-82.931 24.892,-82.677 24.892,-76.581 24.638,-76.327 22.098,-76.327 21.209,-77.216 17.399,-77.216
VBAT_D on Top Layer "VBAT_D_TOP" (solid, pour order 21): 27.559,-63.5 29.464,-61.595 33.782,-61.595 34.036,-61.849 34.036,-64.262 33.528,-64.897 33.528,-71.755 33.147,-72.136 29.845,-72.136 27.559,-69.85
0V on Bottom Layer "0V_BOT" (solid, remove dead copper, pour order 24): 0,0 0,-86.36 59.436,-86.36 59.436,0
NetC4_2 on Bottom Layer "NetC4_2_BOT" (solid, pour order 5): 34.798,-80.137 36.576,-80.137 36.83,-79.883 36.83,-68.58 36.195,-67.945 36.195,-66.167 35.941,-65.913 33.274,-65.913 33.02,-66.167 33.02,-67.564 34.29,-68.834 34.29,-79.629 34.544,-79.883
VBAT_D on Bottom Layer "VBAT_D_BOT" (solid, pour order 3): 30.988,-63.5 30.48,-62.992 28.067,-62.992 27.559,-63.5 27.559,-68.072 28.067,-68.58 30.353,-68.58 30.988,-67.945
5V on Int1 (PWR) "5V_PWR" (solid, pour order 23): 0,-38.608 15.24,-38.608 21.463,-44.831 21.463,-62.357 17.526,-66.294 7.493,-66.294 5.207,-68.58 0,-68.58 0,-86.36 59.436,-86.36 59.436,0 0,0
3V3 on Int1 (PWR) "5V_TOP_1" (solid, pour order 22): 0,-66.929 3.937,-66.929 7.239,-63.627 17.653,-63.627 19.177,-62.103 19.177,-45.72 13.335,-39.878 0,-39.878
0V on Int2 (GND) "0V_GND" (solid, pour order 26): 0,0 0,-86.36 59.436,-86.36 59.436,0

## Silkscreen, mask and mechanical layers (free items; w line width, h text height)
Top Overlay:
  drawing of 16 lines, arcs and shapes, not listed
  text "HIGH REF" at 24.578,-2.021 h1.8
  text "LOW REF" at 35.419,-2.021 h1.8
  text "Brake Module B4" at 0,-6.972 h1.5
  text "24/04/2024" at 0,-8.547 h1.5
  text "L.D" at 0,-9.897 h1.5
  text "LATCH TOGGLE" at 27.678,-19.293 h1.8
  text "CAN" at 3.037,-39.378 h1.8 r90
  text "BSPD" at 37.33,-46.852 h1.8
  text "HB" at 8.39,-49.03 h1.8 r90
  text "UART" at 22.217,-50.535 h1.8
  text "BOOT" at 1.008,-58.028 h1.8
  text "JTAG" at 22.976,-59.806 h1.8
  text "5V" at 3.421,-72.252 h1.8
  text "24V" at 27.804,-85.098 h1.8
Mechanical 1:
  lines w0.254: 0,-86.36 45.72,-86.36 59.436,-86.36 59.436,-81.534 59.436,-71.85 59.436,-67.215 59.436,-57.531 59.436,-30.226 59.436,-2.667 59.436,0 45.593,0 44.45,0 0,0 0,-86.36
Drill Drawing:
  circle w0.254: c-81.137,38.375 r0.508
  circle w0.254: c-81.137,38.375 r0.847
  circle w0.254: c-81.137,26.945 r0.847
  lines w0.254: -81.984,22.288 -81.984,22.712 -81.56,23.135 -81.984,23.558 -81.984,23.982 -81.56,23.982 -81.137,23.558 -80.714,23.982 -80.29,23.982 -80.29,23.558 -80.714,23.135 -80.29,22.712 -80.29,22.288 -80.714,22.288 -81.137,22.712 -81.56,22.288 -81.984,22.288 ; -81.984,29.909 -80.29,29.909 -80.29,31.602 -81.984,31.602 -81.984,29.909 ; -81.984,33.718 -80.29,33.718 -80.29,35.412 -81.984,35.412 -81.984,33.718 ; -81.984,41.762 -81.56,41.762 -81.56,41.338 -80.714,41.338 -80.714,41.762 -80.29,41.762 -80.29,42.608 -80.714,42.608 -80.714,43.032 -81.56,43.032 -81.56,42.608 -81.984,42.608 -81.984,41.762 ; -81.645,30.247 -80.629,30.247 -80.629,31.263 -81.645,31.263 -81.645,30.247
  lines w0.381: -83.502,21.145 185.257,21.145 ; -83.502,44.005 185.257,44.005 ; -69.51,17.335 -69.51,47.816 ; -54.528,17.335 -54.528,47.816 ; -25.327,17.335 -25.327,47.816 ; -12.478,17.335 -12.478,47.816 ; 6.161,17.335 6.161,47.816 ; 44.25,17.335 44.25,47.816 ; 59.232,17.335 59.232,47.816 ; 78.175,17.335 78.175,47.816 ; 94.681,17.335 94.681,47.816 ; 116.366,17.335 116.366,47.816 ; 150.24,17.335 150.24,47.816 ; -83.502,17.335 185.257,17.335 185.257,47.816 -83.502,47.816 -83.502,17.335
  text "Symbol" at -81.216,45.148 h1.83
  text "Count" at -68.367,45.148 h1.83
  text "Hole Size" at -53.385,45.148 h1.83
  text "Plated" at -24.184,45.148 h1.83
  text "Hole Type" at -11.335,45.148 h1.83
  text "Drill Layer Pair" at 7.304,45.148 h1.83
  text "Via/Pad" at 45.393,45.148 h1.83
  text "Pad Shape" at 60.375,45.148 h1.83
  text "Template" at 79.318,45.148 h1.83
  text "Description" at 95.824,45.148 h1.83
  text "Hole Tolerance (+)" at 117.509,45.148 h1.83
  text "Hole Tolerance (-)" at 151.383,45.148 h1.83
  text "3" at -68.367,41.338 h1.52
  text "0.640mm (25.20mil)" at -53.385,41.338 h1.52
  text "PTH" at -24.184,41.338 h1.52
  text "Round" at -11.335,41.338 h1.52
  text "Top Layer - Bottom Layer" at 7.304,41.338 h1.52
  text "Pad" at 45.393,41.338 h1.52
  text "Rounded" at 60.375,41.338 h1.52
  text "c203h64" at 79.318,41.338 h1.52
  text "4" at -68.367,37.529 h1.52
  text "3.300mm (129.92mil)" at -53.385,37.529 h1.52
  text "NPTH" at -24.184,37.529 h1.52
  text "Round" at -11.335,37.529 h1.52
  text "Top Layer - Bottom Layer" at 7.304,37.529 h1.52
  text "Pad" at 45.393,37.529 h1.52
  text "Rounded" at 60.375,37.529 h1.52
  text "c300hn330" at 79.318,37.529 h1.52
  text "6" at -68.367,33.718 h1.52
  text "0.630mm (24.80mil)" at -53.385,33.718 h1.52
  text "PTH" at -24.184,33.718 h1.52
  text "Round" at -11.335,33.718 h1.52
  text "Top Layer - Bottom Layer" at 7.304,33.718 h1.52
  text "Pad" at 45.393,33.718 h1.52
  text "(Mixed)" at 60.375,33.718 h1.52
  text "(Mixed)" at 79.318,33.718 h1.52
  text "18" at -68.367,29.909 h1.52
  text "1.900mm (74.80mil)" at -53.385,29.909 h1.52
  text "PTH" at -24.184,29.909 h1.52
  text "Round" at -11.335,29.909 h1.52
  text "Top Layer - Bottom Layer" at 7.304,29.909 h1.52
  text "Pad" at 45.393,29.909 h1.52
  text "(Mixed)" at 60.375,29.909 h1.52
  text "(Mixed)" at 79.318,29.909 h1.52
  text "21" at -68.367,26.098 h1.52
  text "0.900mm (35.43mil)" at -53.385,26.098 h1.52
  text "PTH" at -24.184,26.098 h1.52
  text "Round" at -11.335,26.098 h1.52
  text "Top Layer - Bottom Layer" at 7.304,26.098 h1.52
  text "Pad" at 45.393,26.098 h1.52
  text "(Mixed)" at 60.375,26.098 h1.52
  text "(Mixed)" at 79.318,26.098 h1.52
  text "88" at -68.367,22.288 h1.52
  text "0.250mm (9.84mil)" at -53.385,22.288 h1.52
  text "PTH" at -24.184,22.288 h1.52
  text "Round" at -11.335,22.288 h1.52
  text "Top Layer - Bottom Layer" at 7.304,22.288 h1.52
  text "Via" at 45.393,22.288 h1.52
  text "Rounded" at 60.375,22.288 h1.52
  text "(Mixed)" at 79.318,22.288 h1.52
  text "140 Total" at -68.367,18.479 h1.52
  text "FABRICATION NOTES" at 88.201,-13.338 h3
  text "1. QUANTITY: 5" at 88.201,-18.434 h3
  text "2. SIZE: 86mm x 60mm" at 88.201,-23.531 h3
  text "3. LAYERS: 4" at 88.201,-28.627 h3
  text "4. COPPER WEIGHT: Outer Layers: 2oz, Internal Layers: 1oz" at 88.201,-32.724 h3
  text "5. SOLDER MASK: White" at 88.426,-37.584 h3
  text "6. SILKSCREEN: Black" at 88.426,-42.681 h3
  text "7. SURFACE FINISH: ENIG" at 88.426,-47.777 h3
  text "8. TOTAL THICKNESS: 1.6mm" at 87.916,-52.735 h3
  text "9. VIAS: TENTED" at 88.216,-57.66 h3

## Dimensions
0,0 to 59.436,0 on Drill Drawing
0,0 to 0,-86.36 on Drill Drawing

## Text inside footprints (layer, text, board x,y; h text height)
C6: Top Overlay "+" at 40.227,-66.238 h1.52 r180